# Allegro board TNR_REV00_150306.brd (continued)
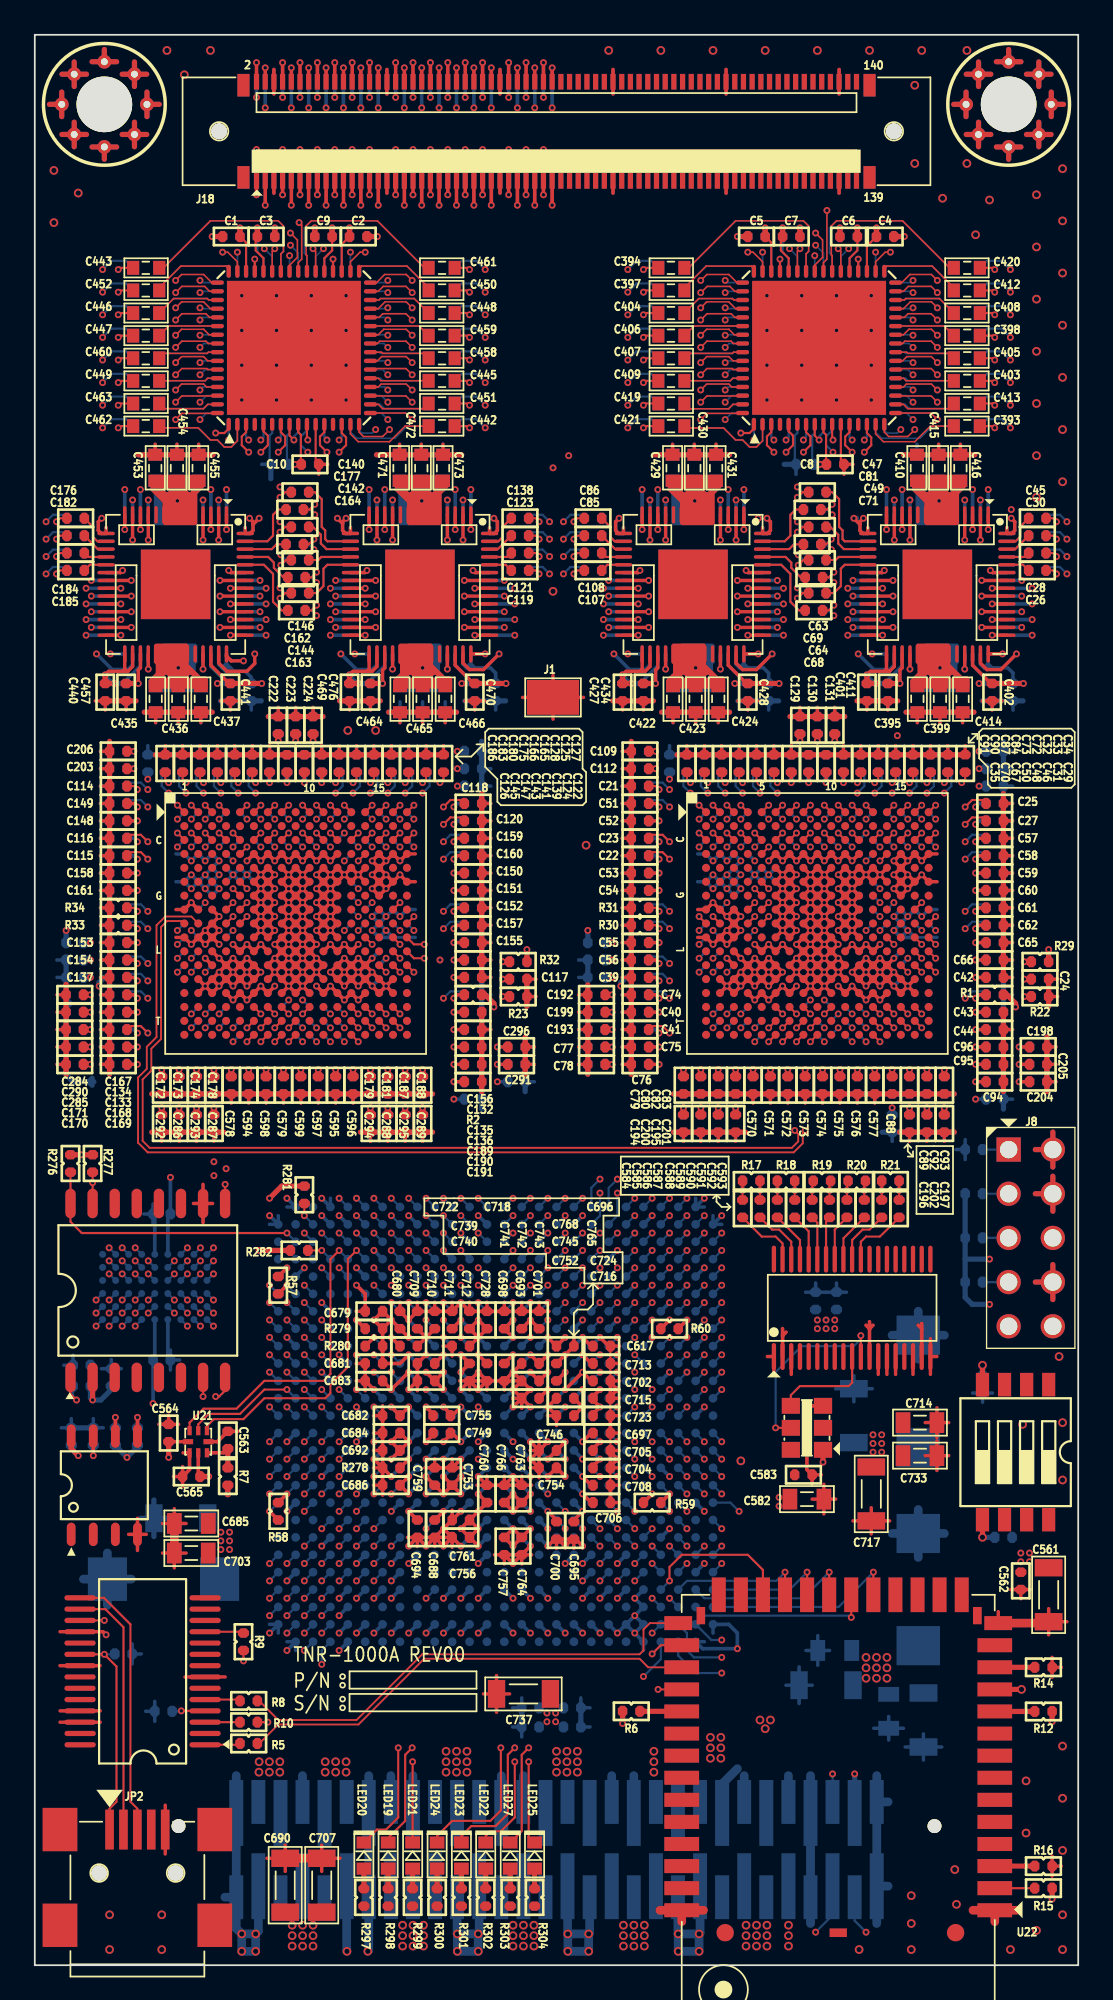
[diagram p0: board, top side]
## Nets (continued)
MUX62: C545.2 U4.60(Y2627)
MUX63: C540.2 U4.63(Y2829)
MUX64: C547.2 U4.2(Y3031)
MUX_CLK: U1.8(CLK) U2.8(CLK) U3.8(CLK) U4.8(CLK) U88.G13(PT88B)
MUX_CLR: U1.5(CLR) U2.5(CLR) U3.5(CLR) U4.5(CLR) U88.H8(PT10B)
MUX_DIN1: U1.10(DIN) U88.H10(PT64A)
MUX_DIN2: U1.12(DOUT) U2.10(DIN)
MUX_DIN3: U2.12(DOUT) U3.10(DIN)
MUX_DIN4: U3.12(DOUT) U4.10(DIN)
MUX_LE: U1.7(L\E\) U2.7(L\E\) U3.7(L\E\) U4.7(L\E\) U88.H11(PT64B)
PM_CLK: J20.55 U88.AB5(PL118A)
PM_CS: J20.56 U88.AB6(PL118B)
PM_SDI: J20.58 U88.AB7(PB4B)
T/R1: C26.2 U13.52(LVOUT_1)
T/R2: C28.2 U13.53(LVOUT_2)
T/R3: C30.2 U13.54(LVOUT_3)
T/R4: C45.2 U13.55(LVOUT_4)
T/R5: C47.2 U13.16(LVOUT_5)
T/R6: C49.2 U13.17(LVOUT_6)
T/R7: C63.2 U13.18(LVOUT_7)
T/R8: C64.2 U13.19(LVOUT_8)
T/R9: C68.2 U14.52(LVOUT_1)
T/R10: C69.2 U14.53(LVOUT_2)
T/R11: C71.2 U14.54(LVOUT_3)
T/R12: C81.2 U14.55(LVOUT_4)
T/R13: C86.2 U14.16(LVOUT_5)
T/R14: C85.2 U14.17(LVOUT_6)
T/R15: C108.2 U14.18(LVOUT_7)
T/R16: C107.2 U14.19(LVOUT_8)
T/R17: C119.2 U16.52(LVOUT_1)
T/R18: C121.2 U16.53(LVOUT_2)
T/R19: C123.2 U16.54(LVOUT_3)
T/R20: C138.2 U16.55(LVOUT_4)
T/R21: C140.2 U16.16(LVOUT_5)
T/R22: C142.2 U16.17(LVOUT_6)
T/R23: C146.2 U16.18(LVOUT_7)
T/R24: C144.2 U16.19(LVOUT_8)
T/R25: C163.2 U15.52(LVOUT_1)
T/R26: C162.2 U15.53(LVOUT_2)
T/R27: C164.2 U15.54(LVOUT_3)
T/R28: C177.2 U15.55(LVOUT_4)
T/R29: C176.2 U15.16(LVOUT_5)
T/R30: C182.2 U15.17(LVOUT_6)
T/R31: C184.2 U15.18(LVOUT_7)
T/R32: C185.2 U15.19(LVOUT_8)
T/R33: C212.2 U18.52(LVOUT_1)
T/R34: C214.2 U18.53(LVOUT_2)
T/R35: C216.2 U18.54(LVOUT_3)
T/R36: C231.2 U18.55(LVOUT_4)
T/R37: C233.2 U18.16(LVOUT_5)
T/R38: C235.2 U18.17(LVOUT_6)
T/R39: C250.2 U18.18(LVOUT_7)
T/R40: C252.2 U18.19(LVOUT_8)
T/R41: C256.2 U17.52(LVOUT_1)
T/R42: C255.2 U17.53(LVOUT_2)
T/R43: C257.2 U17.54(LVOUT_3)
T/R44: C268.2 U17.55(LVOUT_4)
T/R45: C269.2 U17.16(LVOUT_5)
T/R46: C275.2 U17.17(LVOUT_6)
T/R47: C276.2 U17.18(LVOUT_7)
T/R48: C297.2 U17.19(LVOUT_8)
T/R49: C305.2 U19.52(LVOUT_1)
T/R50: C307.2 U19.53(LVOUT_2)
T/R51: C309.2 U19.54(LVOUT_3)
T/R52: C324.2 U19.55(LVOUT_4)
T/R53: C326.2 U19.16(LVOUT_5)
T/R54: C328.2 U19.17(LVOUT_6)
T/R55: C344.2 U19.18(LVOUT_7)
T/R56: C347.2 U19.19(LVOUT_8)
T/R57: C346.2 U20.52(LVOUT_1)
T/R58: C348.2 U20.53(LVOUT_2)
T/R59: C351.2 U20.54(LVOUT_3)
T/R60: C353.2 U20.55(LVOUT_4)
T/R61: C355.2 U20.16(LVOUT_5)
T/R62: C363.2 U20.17(LVOUT_6)
T/R63: C370.2 U20.18(LVOUT_7)
T/R64: C389.2 U20.19(LVOUT_8)
TCK: J8.1 R272.1 U88.E5(TCK)
TDI: J8.5 R274.2 U88.F5(TDI)
TDO: J8.7 R275.2 U88.E7(TDO)
TMS: J8.3 R273.2 U88.E6(TMS)
UART0_CTS: R9.2 U22.30(GPIO24)
UART0_RTS: R10.2 U22.28(GPIO25)
UART0_RX: R5.2 U22.29(GPIO0)
UART0_TX: R8.2 U22.27(GPIO1)
VTT2: U88.N20(VTT2)
VTT3: U88.P20(VTT3)
VTT6: U88.P7(VTT6)
VTT7: U88.N7(VTT7)
WIFI_SDIO_CLK: U22.22(GPIO35) U88.AC1(PL110B)
WIFI_SDIO_CMD: U22.21(GPIO34) U88.AC2(PL113A)
WIFI_SDIO_DATA0: U22.23(GPIO36) U88.AC3(PL113B)
WIFI_SDIO_DATA1: U22.24(GPIO37) U88.AC4(PB5B)
WIFI_SDIO_DATA2: U22.19(GPIO32) U88.AD1(PL122A)
WIFI_SDIO_DATA3: U22.20(GPIO33) U88.AD2(PL122B)
XDCR1: J18.1 U1.14(SW0)
XDCR2: J19.139 U2.14(SW0)
XDCR3: J18.2 U1.17(SW2)
XDCR4: J19.140 U2.17(SW2)
XDCR5: J18.3 U1.20(SW4)
XDCR6: J19.137 U2.20(SW4)
XDCR7: J18.4 U1.23(SW6)
XDCR8: J19.138 U2.23(SW6)
XDCR9: J18.7 U1.26(SW8)
XDCR10: J19.133 U2.26(SW8)
XDCR11: J18.8 U1.29(SW10)
XDCR12: J19.134 U2.29(SW10)
XDCR13: J18.9 U1.32(SW12)
XDCR14: J19.131 U2.32(SW12)
XDCR15: J18.10 U1.38(SW14)
XDCR16: J19.132 U2.38(SW14)
XDCR17: J18.11 U1.41(SW16)
XDCR18: J19.129 U2.41(SW16)
XDCR19: J18.12 U1.47(SW18)
XDCR20: J19.130 U2.47(SW18)
XDCR21: J18.13 U1.50(SW20)
XDCR22: J19.127 U2.50(SW20)
XDCR23: J18.14 U1.53(SW22)
XDCR24: J19.128 U2.53(SW22)
XDCR25: J18.15 U1.56(SW24)
XDCR26: J19.125 U2.56(SW24)
XDCR27: J18.16 U1.59(SW26)
XDCR28: J19.126 U2.59(SW26)
XDCR29: J18.17 U1.62(SW28)
XDCR30: J19.123 U2.62(SW28)
XDCR31: J18.18 U1.1(SW30)
XDCR32: J19.124 U2.1(SW30)
XDCR33: J18.19 U3.14(SW0)
XDCR34: J19.121 U4.14(SW0)
XDCR35: J18.20 U3.17(SW2)
XDCR36: J19.122 U4.17(SW2)
XDCR37: J18.21 U3.20(SW4)
XDCR38: J19.119 U4.20(SW4)
XDCR39: J18.22 U3.23(SW6)
XDCR40: J19.120 U4.23(SW6)
XDCR41: J18.23 U3.26(SW8)
XDCR42: J19.117 U4.26(SW8)
XDCR43: J18.24 U3.29(SW10)
XDCR44: J19.118 U4.29(SW10)
XDCR45: J18.25 U3.32(SW12)
XDCR46: J19.115 U4.32(SW12)
XDCR47: J18.26 U3.38(SW14)
XDCR48: J19.116 U4.38(SW14)
XDCR49: J18.27 U3.41(SW16)
XDCR50: J19.113 U4.41(SW16)
XDCR51: J18.28 U3.47(SW18)
XDCR52: J19.114 U4.47(SW18)
XDCR53: J18.29 U3.50(SW20)
XDCR54: J19.111 U4.50(SW20)
XDCR55: J18.30 U3.53(SW22)
XDCR56: J19.112 U4.53(SW22)
XDCR57: J18.33 U3.56(SW24)
XDCR58: J19.107 U4.56(SW24)
XDCR59: J18.34 U3.59(SW26)
XDCR60: J19.108 U4.59(SW26)
XDCR61: J18.35 U3.62(SW28)
XDCR62: J19.105 U4.62(SW28)
XDCR63: J18.36 U3.1(SW30)
XDCR64: J19.106 U4.1(SW30)
XDCR65: J18.37 U1.16(SW1)
XDCR66: J19.103 U2.16(SW1)
XDCR67: J18.38 U1.19(SW3)
XDCR68: J19.104 U2.19(SW3)
XDCR69: J18.39 U1.22(SW5)
XDCR70: J19.101 U2.22(SW5)
XDCR71: J18.40 U1.25(SW7)
XDCR72: J19.102 U2.25(SW7)
XDCR73: J18.41 U1.28(SW9)
XDCR74: J19.99 U2.28(SW9)
XDCR75: J18.42 U1.31(SW11)
XDCR76: J19.100 U2.31(SW11)
XDCR77: J18.43 U1.34(SW13)
XDCR78: J19.97 U2.34(SW13)
XDCR79: J18.44 U1.40(SW15)
XDCR80: J19.98 U2.40(SW15)
XDCR81: J18.45 U1.43(SW17)
XDCR82: J19.95 U2.43(SW17)
XDCR83: J18.46 U1.49(SW19)
XDCR84: J19.96 U2.49(SW19)
XDCR85: J18.47 U1.52(SW21)
XDCR86: J19.93 U2.52(SW21)
XDCR87: J18.48 U1.55(SW23)
XDCR88: J19.94 U2.55(SW23)
XDCR89: J18.49 U1.58(SW25)
XDCR90: J19.91 U2.58(SW25)
XDCR91: J18.50 U1.61(SW27)
XDCR92: J19.92 U2.61(SW27)
XDCR93: J18.51 U1.64(SW29)
XDCR94: J19.89 U2.64(SW29)
XDCR95: J18.52 U1.3(SW31)
XDCR96: J19.90 U2.3(SW31)
XDCR97: J18.53 U3.16(SW1)
XDCR98: J19.87 U4.16(SW1)
XDCR99: J18.54 U3.19(SW3)
XDCR100: J19.88 U4.19(SW3)
XDCR101: J18.55 U3.22(SW5)
XDCR102: J19.85 U4.22(SW5)
XDCR103: J18.56 U3.25(SW7)
XDCR104: J19.86 U4.25(SW7)
XDCR105: J18.59 U3.28(SW9)
XDCR106: J19.81 U4.28(SW9)
XDCR107: J18.60 U3.31(SW11)
XDCR108: J19.82 U4.31(SW11)
XDCR109: J18.61 U3.34(SW13)
XDCR110: J19.79 U4.34(SW13)
XDCR111: J18.62 U3.40(SW15)
XDCR112: J19.80 U4.40(SW15)
XDCR113: J18.63 U3.43(SW17)
XDCR114: J19.77 U4.43(SW17)
XDCR115: J18.64 U3.49(SW19)
XDCR116: J19.78 U4.49(SW19)
XDCR117: J18.65 U3.52(SW21)
XDCR118: J19.75 U4.52(SW21)
XDCR119: J18.66 U3.55(SW23)
XDCR120: J19.76 U4.55(SW23)
XDCR121: J18.67 U3.58(SW25)
XDCR122: J19.73 U4.58(SW25)
XDCR123: J18.68 U3.61(SW27)
XDCR124: J19.74 U4.61(SW27)
XDCR125: J18.69 U3.64(SW29)
XDCR126: J19.71 U4.64(SW29)
XDCR127: J18.70 U3.3(SW31)
XDCR128: J19.72 U4.3(SW31)
N15055357: R12.2 U22.10(VRTC)
N15055545: R11.1 S1.5(B4) U22.11(RESET)
N15055705: R14.2 U22.12(RTC)
N15252190: R13.2 S1.4(A4)
N16613517: JP2.3(D+) U23.15(USBDP)
N16613521: JP2.2(D-) U23.16(USBDM)
N16614568: C566.2 JP2.1(VCC) U23.20(VCC)
N16617741: R5.1 U23.1(TXD)
N16617745: R8.1 U23.5(RXD)
N16617749: C567.2 U23.4(VCCIO) U23.17(3V3OUT)
N16673094: R9.1 U23.11(CTS#)
N16673098: R10.1 U23.3(RTX#)
N16750909: R6.2 U22.31(GPIO31)
N16892960: R3.1 U10.M17(PDN_FAST)
N16894204: C210.1 U10.K14(VREF_IN_REXT)
N16894407: C207.1 U10.D5(BIAS_2P5)
N16894410: C208.1 U10.G5(BAND_GAP)
N16894413: C209.1 U10.F5(LNA_INCM)
N16894782: C211.1 U10.D14(SRC_BIAS)
N16971325: C477.1 U18.1(XDCR_1)
N16971363: C500.1 U18.2(XDCR_2)
N16971431: C482.1 U18.3(XDCR_3)
N16971435: C497.1 U18.4(XDCR_4)
N16971563: C484.1 U18.11(XDCR_5)
N16971567: C486.1 U18.12(XDCR_6)
N16971579: C499.1 U18.13(XDCR_7)
N16971583: C504.1 U18.14(XDCR_8)
N17055890: C526.1 U19.1(XDCR_1)
N17055892: C541.1 U19.2(XDCR_2)
N17055902: C537.1 U19.3(XDCR_3)
N17055904: C531.1 U19.4(XDCR_4)
N17055922: C532.1 U19.11(XDCR_5)
N17055924: C539.1 U19.12(XDCR_6)
N17055926: C534.1 U19.13(XDCR_7)
N17055928: C546.1 U19.14(XDCR_8)
N17057845: C478.1 U17.1(XDCR_1)
N17057847: C501.1 U17.2(XDCR_2)
N17057857: C496.1 U17.3(XDCR_3)
N17057859: C483.1 U17.4(XDCR_4)
N17057877: C485.1 U17.11(XDCR_5)
N17057879: C502.1 U17.12(XDCR_6)
N17057881: C491.1 U17.13(XDCR_7)
N17057883: C505.1 U17.14(XDCR_8)
N17058113: C527.1 U20.1(XDCR_1)
N17058115: C542.1 U20.2(XDCR_2)
N17058117: C535.1 U20.3(XDCR_3)
N17058127: C544.1 U20.4(XDCR_4)
N17058145: C533.1 U20.11(XDCR_5)
N17058147: C545.1 U20.12(XDCR_6)
N17058149: C540.1 U20.13(XDCR_7)
N17058151: C547.1 U20.14(XDCR_8)
N17108094: R1.1 U6.M17(PDN_FAST)
N17108112: C24.1 U6.K14(VREF_IN_REXT)
N17108113: C21.1 U6.D5(BIAS_2P5)
N17108114: C22.1 U6.G5(BAND_GAP)
N17108115: C23.1 U6.F5(LNA_INCM)
N17108123: C25.1 U6.D14(SRC_BIAS)
N17114740: R4.1 U11.M17(PDN_FAST)
N17114758: C303.1 U11.K14(VREF_IN_REXT)
N17114759: C300.1 U11.D5(BIAS_2P5)
N17114760: C301.1 U11.G5(BAND_GAP)
N17114761: C302.1 U11.F5(LNA_INCM)
N17114769: C304.1 U11.D14(SRC_BIAS)
N17118312: R2.1 U8.M17(PDN_FAST)
N17118330: C117.1 U8.K14(VREF_IN_REXT)
N17118331: C114.1 U8.D5(BIAS_2P5)
N17118332: C115.1 U8.G5(BAND_GAP)
N17118333: C116.1 U8.F5(LNA_INCM)
N17118341: C118.1 U8.D14(SRC_BIAS)
N17124041: C393.1 U13.1(XDCR_1)
N17124042: C413.1 U13.2(XDCR_2)
N17124043: C403.1 U13.3(XDCR_3)
N17124044: C405.1 U13.4(XDCR_4)
N17124045: C398.1 U13.11(XDCR_5)
N17124046: C408.1 U13.12(XDCR_6)
N17124047: C412.1 U13.13(XDCR_7)
N17124048: C420.1 U13.14(XDCR_8)
N17124170: C442.1 U16.1(XDCR_1)
N17124171: C451.1 U16.2(XDCR_2)
N17124172: C445.1 U16.3(XDCR_3)
N17124173: C458.1 U16.4(XDCR_4)
N17124174: C459.1 U16.11(XDCR_5)
N17124175: C448.1 U16.12(XDCR_6)
N17124176: C450.1 U16.13(XDCR_7)
N17124177: C461.1 U16.14(XDCR_8)
N17124271: C394.1 U14.1(XDCR_1)
N17124272: C397.1 U14.2(XDCR_2)
N17124273: C404.1 U14.3(XDCR_3)
N17124274: C406.1 U14.4(XDCR_4)
N17124275: C407.1 U14.11(XDCR_5)
N17124276: C409.1 U14.12(XDCR_6)
N17124277: C419.1 U14.13(XDCR_7)
N17124278: C421.1 U14.14(XDCR_8)
N17124353: C443.1 U15.1(XDCR_1)
N17124354: C452.1 U15.2(XDCR_2)
N17124355: C446.1 U15.3(XDCR_3)
N17124356: C447.1 U15.4(XDCR_4)
N17124357: C460.1 U15.11(XDCR_5)
N17124358: C449.1 U15.12(XDCR_6)
N17124359: C463.1 U15.13(XDCR_7)
N17124360: C462.1 U15.14(XDCR_8)
N17144890: R16.2 U22.3(ADC_SD_0N)
N17145047: R15.2 U22.2(ADC_SD_0P)
N17146659: C563.2 R7.1 U21.7(AINP)
N17246492: C584.2 U24.37(AY)
N17246495: C585.2 U24.36(AZ)
N17246498: C586.2 U24.35(BY)
N17246501: C587.2 U24.34(BZ)
N17246504: C588.2 U24.33(CY)
N17246507: C589.2 U24.32(CZ)
N17246510: C590.2 U24.31(DY)
N17246513: C591.2 U24.30(DZ)
N17246516: C592.2 U24.29(EY)
N17246519: C593.2 U24.28(EZ)
N17247366: R22.1 U6.M16(PDN_GBL)
N17249033: R23.1 U8.M16(PDN_GBL)
N17249290: R24.1 U10.M16(PDN_GBL)
N17249547: R25.1 U11.M16(PDN_GBL)
N17249807: R26.1 U11.K16(SPI_DIG_EN)
N17250551: R27.1 U11.J5(TGC_PROF-1)
N17250554: R28.1 U11.H5(TGC_PROF-2)
N17250855: R29.1 U6.K16(SPI_DIG_EN)
N17250877: R30.1 U6.J5(TGC_PROF-1)
N17250879: R31.1 U6.H5(TGC_PROF-2)
N17251190: R32.1 U8.K16(SPI_DIG_EN)
N17251212: R33.1 U8.J5(TGC_PROF-1)
N17251214: R34.1 U8.H5(TGC_PROF-2)
N17251519: R35.1 U10.K16(SPI_DIG_EN)
N17251541: R36.1 U10.J5(TGC_PROF-1)
N17251543: R37.1 U10.H5(TGC_PROF-2)
N17356355: LED20.1(ANODE) R297.1
N17356358: LED19.1(ANODE) R298.1
N17356361: LED21.1(ANODE) R299.1
N17356364: LED24.1(ANODE) R300.1
N17356367: LED23.1(ANODE) R301.1
N17356370: LED22.1(ANODE) R302.1
N17356373: LED27.1(ANODE) R303.1
N17357565: LED25.1(ANODE) R304.1
N17472746: R278.2 U88.R18(XRES)
N17488006: J2.7(WP) R54.2
N17488719: U24.10(A) X3.4(OUT)
N17488722: U24.11(B) X3.5(OUTN)
N17635904: R279.1 U88.H21(INITN)
N17635973: R280.1 U88.J20(PROGRAMN)
N17636542: R281.1 U88.B24(DONE)
N17636628: R282.2 U88.D23(PR10B)
N17655205: R283.2 U28.1(HOLD#) U28.9(W#/VPP)
N171655668: U88.AC17(PCSA_REFCLKP)

Pads without a net: J2 1 2 3; J8 9 10; J18 71 72 73 74 75 76 77 78 79 80 81 82 85 86 87 88 89 90 91 92 93 94 95 96 97 98 99 100 101 102 103 104 105 106 107 108 111 112 113 114 115 116 117 118 119 120 121 122 123 124 125 126 127 128 129 130 131 132 133 134 137 138 139 140; J19 1 2 3 4 7 8 9 10 11 12 13 14 15 16 17 18 19 20 21 22 23 24 25 26 27 28 29 30 33 34 35 36 37 38 39 40 41 42 43 44 45 46 47 48 49 50 51 52 53 54 55 56 59 60 61 62 63 64 65 66 67 68 69 70; JP2 4; S1 1 2 3 6 7 8; U1 4 6 13; U2 4 6 13; U3 4 6 13; U4 4 6 12 13; U6 A9 B1 B2 B3 B4 B5 B6 B7 B8 B9 B10 B11 B12 B13 B14 B15 B16 B17 C9 D1 D2 D3 D4 D13 E1 E2 E3 E4 E5 E16 E17 F1 F2 F3 F4 G1 G2 G3 G4 G13 G14 G16 G17 H13 H14 H15 H17 J13 J14 J15 J16 K4 K5 K13 K15 L1 L2 L4 L14 L15 M1 M2 N1 N17 P1 P17 R1 R2 R3 R4 R5 R9 R11 R12 R13 R17 T1 T2 T3 T4 T5 T10 T11 T12 T17 U1 U2 U3 U4 U5 U10 U11 U12 U14 U15 U16 U17; U8 A9 B1 B2 B3 B4 B5 B6 B7 B8 B9 B10 B11 B12 B13 B14 B15 B16 B17 C9 D1 D2 D3 D4 D13 E1 E2 E3 E4 E5 E16 E17 F1 F2 F3 F4 G1 G2 G3 G4 G13 G14 G16 G17 H13 H14 H15 H17 J13 J14 J15 J16 K4 K5 K13 K15 L1 L2 L4 L14 L15 M1 M2 N1 N17 P1 P17 R1 R2 R3 R4 R5 R9 R11 R12 R13 R17 T1 T2 T3 T4 T5 T10 T11 T12 T17 U1 U2 U3 U4 U5 U10 U11 U12 U14 U15 U16 U17; U10 A9 B1 B2 B3 B4 B5 B6 B7 B8 B9 B10 B11 B12 B13 B14 B15 B16 B17 C9 D1 D2 D3 D4 D13 E1 E2 E3 E4 E5 E16 E17 F1 F2 F3 F4 G1 G2 G3 G4 G13 G14 G16 G17 H13 H14 H15 H17 J13 J14 J15 J16 K4 K5 K13 K15 L1 L2 L4 L14 L15 M1 M2 N1 N17 P1 P17 R1 R2 R3 R4 R5 R9 R11 R12 R13 R17 T1 T2 T3 T4 T5 T10 T11 T12 T17 U1 U2 U3 U4 U5 U10 U11 U12 U14 U15 U16 U17; U11 A9 B1 B2 B3 B4 B5 B6 B7 B8 B9 B10 B11 B12 B13 B14 B15 B16 B17 C9 D1 D2 D3 D4 D13 E1 E2 E3 E4 E5 E16 E17 F1 F2 F3 F4 G1 G2 G3 G4 G13 G14 G16 G17 H13 H14 H15 H17 J13 J14 J15 J16 K4 K5 K13 K15 L1 L2 L4 L14 L15 M1 M2 N1 N17 P1 P17 R1 R2 R3 R4 R5 R9 R11 R12 R13 R17 T1 T2 T3 T4 T5 T10 T11 T12 T17 U1 U2 U3 U4 U5 U10 U11 U12 U14 U15 U16 U17; U13 10 38 57; U14 10 38 57; U15 10 38 57; U16 10 38 57; U17 10 38 57; U18 10 38 57; U19 10 38 57; U20 10 38 57; U22 4 5 6 7 8 9 13 16 17 18 25 26 32 33 34 35 36 37 38 39; U23 2 6 8 9 10 12 13 14 19 22 23 24 27 28; U24 4 16 20 21 22 23 24 25 26 27 38; U25 J4 J5 J6; U28 3 4 5 6 11 12 13 14; U88 A24 AA10 AA11 AA12 AA15 AA16 AA17 AB9 AB10 AB11 AB12 AB13 AB14 AB15 AB16 AB17 AB18 AC9 AC10 AC18 AD6 AD7 AD8 AD9 AD10 AD11 AD12 AD13 AD14 AD15 AD16 AD17 AD18 AD19 AD20 AD21 AF6 AF7 AF8 AF9 AF10 AF11 AF12 AF13 AF14 AF15 AF16 AF17 AF18 AF19 AF20 AF21 B25 C26 D14 D24 D25 D26 E24 F22 F23 G20 G21 G22 H22 J21 J22 L21 L22 M3 M5 M6 M26 N1 R21 T21 U5 U6 U7 U8 U10 V8 V17 V20 V23 W1 W2 W4 W5 W18 W19 W24 W25 W26 Y1 Y2 Y25 Y26; X3 2

## Via types
v1: diameter 0.4, hole 0.2, TOP to BOTTOM, 2248 vias
v2: diameter 0.5, hole 0.3, TOP to BOTTOM, 182 vias

## Routing (per net, layer and track width the routed paths; a pad name or vN(x,y) marks a point on that pad's centre or on a via; arc(x,y) is an arc through that point)
+D3.3V: length 15.8
  TOP w0.21: 51,36.9 51,36.6 ; 51,36.6 U24.18 ; 51,36.6 50.8,36.8 ; 48,36.6 47.8,36.8 ; 48,36.6 48.2,36.8 ; 48,36.6 U24.12 ; 48,36.6 48,37 ; C565.2 9.4,28.2 U21.6 ; 43,36.2 43,36.6 ; 43,36.2 43.2,36.4 ; 43,36.2 U24.2 ; U21.4 C564.2
  TOP w0.3: C565.2 v1(10,28.1) ; R12.1 v1(58.5,14) ; 2.1,30.43 2.1,29.7 v1(2.5,29.3) ; C564.2 v1(7.7,29.2) ; R6.1 v1(33.8,13.9)
  BOTTOM w0.3: C619.1 2.1,29.7 v1(2.5,29.3) ; R56.2 4.63,29.86 v1(5.3,29.2) 5.91,29.8 R55.2
  vias: v1(45,37.1) v1(45,36.6) v1(45.5,37.1) v1(45.5,36.6) v1(46,37.1) v1(46,36.6) v1(56.7,23.7) v1(56.7,23.2) v1(57.2,23.7) v1(57.2,23.2)
GND_SIGNAL: length 1690
  TOP w0.125: U1.36 v1(47.35,98.1) ; U1.45 v1(42.85,98.1) ; U2.45 v1(12.65,98.1) ; U1.11 46.35,86.47 C8.2 ; C617.1 C713.2 C702.2 ; C715.2 C723.2 ; U2.11 16.15,86.47 C10.2 ; U2.36 v1(17.15,98.1) ; C704.2 C708.2 ; C705.2 C697.2
  TOP w0.2: 33.77,65.8 C52.2 ; 3.77,66.8 C149.2 ; 18.47,37.6 C679.2 ; C704.2 33.63,28.6 ; C717.2 48.1,26.3 ; C717.2 49.15,25.55 ; C717.2 48.1,24.8 ; C717.2 47.05,25.55 ; 53.35,71.44 C414.2 ; U8.D17 21.88,63.9 ; 46.52,85.73 C8.2 47.05,86.3 ; C117.2 28.83,56.7 ; 8.25,71.44 C436.2 ; v1(17.4,83.2) 17.7,82.9 ; 17.7,82.9 17.7,83 v1(17.9,83.2) ; 17.7,82.9 17.7,82.5 17.88,82.33 U16.15 18.15,82.68 ; C57.2 56.23,64.8 ; C737.2 27.3,15.6 ; C737.2 26.55,16.65 ; C737.2 26.55,14.55 ; C737.2 25.8,15.6 ; C157.2 26.23,59.8 ; 33.77,68.8 C112.1 ; 26,28.13 C760.2 25.43,27.6 ; 33.77,66.8 C51.2 ; C711.2 24,38.13 ; C296.2 28.73,52.8 ; C455.2 9.43,87.46 ; 30,23.97 C700.2 ; C62.2 56.23,59.8 ; 56.13,21.6 C562.1 ; C562.1 56.7,21.07 ; C562.1 57.27,21.6 ; 3.76,14.62 U23.25 1.46,14.62 ; C453.2 6.92,87.46 ; C150.2 26.23,62.8 ; 8.12,60.7 U8.H1 ; 19.47,28.6 R278.1 ; U15.32 v1(6.53,74.53) ; 33.77,64.8 C23.2 ; 24.73,72.7 C470.2 ; C470.2 25.87,72.7 ; C470.2 25.3,72.17 ; 55.9,82.68 U13.56 56.17,82.33 56.35,82.5 56.35,83 v1(56.15,83.2) ; 10.94,16.57 U23.7 8.64,16.57 ; 51.5,33.97 U24.19 ; U24.19 51.5,36.03 ; U24.19 51.88,35 ; 24,35.03 C718.2 23.47,35.6 ; 28,32.03 C752.2 27.47,32.6 ; 9.68,75.4 v1(9.68,74.53) ; v1(5.05,80.2) 4.92,80.08 U15.20 ; C66.2 56.23,57.8 ; C132.2 26.23,56.8 ; v1(26.4,83.2) 26.6,83 26.6,82.5 26.43,82.33 U16.56 26.15,82.68 ; 33.77,61.8 C54.2 ; C44.2 56.23,53.8 ; 31.27,51.8 C78.2 ; R14.1 59.03,17.13 ; R14.1 58.5,17.7 ; R14.1 58.5,16.56 ; C72.1 42.5,70.13 ; 7.5,6.4 JP2.5 7.5,9.2 ; 26.43,23.6 C757.2 27,23.07 ; v1(4.1,19) 3.92,19.18 1.45,19.18 ; 3.77,67.8 C114.2 ; 38.3,47.37 C200.2 ; v1(25.2,80.2) 25.32,80.08 U16.51 ; 22,33.03 C740.2 ; 29.8,71.65 J1.1 ; J1.1 28.05,72.9 ; J1.1 31.55,72.9 ; J1.1 29.8,74.15 ; 42.12,35 U24.1 42.5,33.97 ; 12.55,82.85 v1(12.9,83.2) ; 12.55,82.85 12.55,82.5 12.38,82.33 U15.56 12.1,82.68 ; 12.55,82.85 12.55,83 v1(12.35,83.2) ; 8.52,29.46 U21.5 ; 17.3,49.57 C595.2 ; 5.91,23.85 J2.4 ; J2.4 5.91,25.7 ; J2.4 6.41,24.77 ; J2.4 5.4,24.77 ; R23.2 28.83,55.7 ; 33.77,62.8 C53.2 ; 6.95,71.44 C435.2 ; U6.D17 51.88,63.9 ; C733.2 51.88,30.15 ; C733.2 51.2,29.3 ; C733.2 52.55,29.3 ; C733.2 51.88,28.45 ; C180.1 9.5,70.13 ; R16.1 59.03,5.7 ; R16.1 58.5,6.27 ; R16.1 58.5,5.13 ; C73.1 41.5,70.13 ; 47.45,82.85 47.45,83 v1(47.65,83.2) ; 47.45,82.85 v1(47.1,83.2) ; 47.45,82.85 47.45,82.5 47.62,82.33 U13.15 47.9,82.68 ; C402.2 55.62,72.7 ; C402.2 55.05,72.17 ; C402.2 54.48,72.7 ; C143.1 19.5,70.13 ; C131.2 46,72.33 ; C204.2 58.73,50.8 ; 28.47,28.6 C754.2 29,28.03 ; 50.75,71.44 C395.2 ; 52.3,47.37 C197.2 ; 21.43,24.6 C694.2 22,24.07 ; 3.77,56.8 C137.2 ; C160.2 26.23,63.8 ; 22.3,47.37 C289.2 ; C159.2 26.23,64.8 ; 44.3,49.57 C573.2 ; C713.2 33.63,34.6 ; 29.57,37.6 C701.2 29,38.13 ; 9.55,71.44 C437.2 ; 11.25,72.17 C441.2 ; C441.2 11.82,72.7 ; C441.2 10.68,72.7 ; C696.2 31,36.17 ; 38,71.44 C423.2 ; 3.77,68.8 C203.1 ; 30,31.03 C716.2 29.47,31.6 ; C118.2 26.23,66.8 ; 57.25,19.75 C561.1 ; C561.1 59.35,19.75 ; C561.1 58.3,20.5 ; C561.1 58.3,19 ; 3.77,52.8 C168.2 ; v1(33.6,83.2) 33.4,83 33.4,82.5 33.58,82.33 U14.15 33.85,82.68 ; C582.1 46.05,26.8 ; C582.1 44.7,26.8 ; C582.1 45.38,25.95 ; C582.1 45.38,27.65 ; C415.2 51.98,87.46 ; 14.3,49.57 C579.2 ; 20,27.03 C686.2 19.47,27.6 ; 38.12,59.1 U6.K1 ; 7.35,23.7 C703.2 ; C703.2 8.7,23.7 ; C703.2 8.03,22.85 ; U14.32 v1(36.27,74.53) ; 18.1,72.17 C469.2 ; 3.77,69.8 C206.1 ; 16.32,85.73 C10.2 16.85,86.3 ; C430.2 37.92,87.46 ; C84.1 40.5,70.13 ; 3.77,61.8 C161.2 ; 7.97,28.1 C565.1 ; C565.1 8.5,27.53 ; C565.1 8.5,28.67 ; 22.43,28.6 C759.2 23,29.13 ; C428.2 41.57,72.7 ; C428.2 40.43,72.7 ; C428.2 41,72.17 ; C70.1 47.5,70.13 ; 3.77,57.8 C154.2 ; 3.75,17.23 U23.21 1.45,17.23 ; 41.3,49.57 C570.2 ; 28,23.07 C764.2 28.57,23.6 ; 3.77,53.8 C133.2 ; C50.1 49.5,70.13 ; 28.47,29.6 C746.2 29,30.17 ; C223.2 15,72.33 ; 3.77,62.8 C158.2 ; C120.1 26.23,65.8 ; 3.77,51.8 C169.2 ; C122.1 23.5,70.13 ; C416.2 53.23,87.46 ; 24,24.03 C756.2 ; C24.2 58.83,56.7 ; 7.35,25.4 C685.2 ; C685.2 8.7,25.4 ; C685.2 8.03,26.25 ; C222.2 14,72.33 ; 13.3,49.57 C598.2 ; C205.2 58.73,51.8 ; C761.2 24,26.17 ; 45.3,49.57 C574.2 ; 51.2,31.2 C714.2 ; C714.2 52.55,31.2 ; C714.2 51.88,30.35 ; C714.2 51.88,32.05 ; 49.05,72.17 C411.2 ; C166.1 11.5,70.13 ; 16.5,5.4 C707.2 ; C707.2 16.5,6.9 ; C707.2 17.55,6.15 ; 1.27,54.8 C290.2 ; 9.12,43.8 U28.10 ; U28.10 9.68,42.7 ; U28.10 10.23,43.8 ; U28.10 9.68,44.9 ; C32.2 43.5,70.13 ; C710.2 23,38.13 ; 39.3,47.37 C195.2 ; C693.2 28,38.13 ; U14.20 34.67,80.08 v1(34.8,80.2) ; 37.3,47.37 C194.2 ; 24.43,33.6 C741.2 25,33.07 ; 3.77,64.8 C116.2 ; 50.5,33.97 U24.17 ; 3.77,58.8 C153.2 ; 3.76,13.97 1.46,13.97 ; v1(11.15,80.2) 11.28,80.08 U15.51 ; v1(40.9,80.2) 41.02,80.08 U14.51 ; v1(3.85,83.2) 3.65,83 3.65,82.5 3.83,82.33 U15.15 4.1,82.68 ; 49.5,33.97 U24.15 ; 36.7,71.44 C422.2 ; 44.7,27.63 C583.1 45.23,28.2 ; 23,24.07 C688.2 ; 31.27,55.8 C192.2 ; C697.2 33.63,30.6 ; C709.2 22,38.13 ; 47.3,49.57 C576.2 ; C429.2 36.67,87.46 ; C59.2 56.23,62.8 ; 24,29.13 C753.2 24.57,28.6 ; 7.3,47.37 C292.2 ; C31.1 52.5,70.13 ; 31.27,53.8 C193.2 ; C147.1 18.5,70.13 ; C35.2 46.5,70.13 ; 46.3,49.57 C575.2 ; C723.2 33.63,31.6 ; 4.05,72.17 C440.2 3.48,72.7 ; U22.14 55.4,20.33 ; C48.1 50.5,70.13 ; v1(19.1,80.2) 18.98,80.08 U16.20 ; C183.1 8.5,70.13 ; C27.1 56.23,65.8 ; C563.1 11.67,30.7 ; C126.2 16.5,70.13 ; C728.2 26,38.13 ; 31,23.97 C695.2 ; U13.20 48.73,80.08 v1(48.85,80.2) ; C65.2 56.23,58.8 ; 20.3,47.37 C288.2 ; C706.2 33.63,26.6 ; C61.2 56.23,60.8 ; 7.13,31.1 C564.1 ; C564.1 7.7,31.63 ; C564.1 8.27,31.1 ; U13.39 v1(53.48,74.53) ; 10.3,47.37 C287.2 ; C472.2 22.23,87.46 ; 22.3,71.44 C465.2 ; 3.77,54.8 C134.2 ; C471.2 20.98,87.46 ; 1.27,51.8 C170.2 ; U13.32 v1(50.33,74.53) ; 38.12,60.7 U6.H1 ; 21.3,47.37 C295.2 ; U16.39 v1(23.73,74.53) ; 33.77,59.8 R30.2 ; C690.2 14.4,6.9 ; C690.2 14.4,5.4 ; C690.2 13.35,6.15 ; 1.27,55.8 C284.2 ; C25.2 56.23,66.8 ; 23.6,71.44 C466.2 ; C165.1 12.5,70.13 ; C712.2 25,38.13 ; C128.2 13.5,70.13 ; 28.57,27.6 C763.2 28,28.13 ; 3.77,59.8 R33.2 ; 33.77,69.8 C109.1 ; C139.1 21.5,70.13 ; 1.27,53.8 C285.2 ; 11.3,49.57 C578.2 ; 3.77,60.8 R34.2 ; 33.77,58.8 C55.2 ; 33.77,55.8 C74.2 ; R22.2 58.83,55.7 ; 33.77,67.8 C21.2 ; C198.2 58.73,52.8 ; C705.2 33.63,29.6 ; C124.1 22.5,70.13 ; C698.2 27,38.13 ; C224.2 16,72.33 ; 39.42,75.4 v1(39.42,74.53) ; 51.3,47.37 C202.2 ; 5.25,72.17 C457.2 ; 50.3,47.37 C196.2 ; C715.2 33.63,32.6 ; 18.47,33.6 C683.2 19,33.03 ; C46.1 51.5,70.13 ; U16.32 v1(20.57,74.53) ; C473.2 23.48,87.46 ; C90.1 38.5,70.13 ; C454.2 8.18,87.46 ; C175.1 10.5,70.13 ; 19.3,47.37 C294.2 ; 33.77,57.8 C56.2 ; 41.85,82.68 U14.56 42.12,82.33 42.3,82.5 42.3,83 v1(42.1,83.2) ; C702.2 33.63,33.6 ; 3.77,65.8 C148.2 ; C91.1 37.5,70.13 ; 33.8,72.17 C427.2 ; 33.77,60.8 R31.2 ; U13.51 55.08,80.08 v1(54.95,80.2) ; 19.47,29.6 C692.2 ; 19.3,72.17 C476.2 ; C141.1 20.5,70.13 ; 1.27,52.8 C171.2 ; C129.2 44,72.33 ; 33.77,63.8 C22.2 ; 49,33.97 U24.14 ; C58.2 56.23,63.8 ; C155.2 26.23,58.8 ; 39.3,71.44 C424.2 ; C87.1 39.5,70.13 ; 3.77,55.8 C167.2 ; 48.5,33.97 U24.13 ; 33.77,54.8 C40.2 ; 47.85,72.17 C401.2 ; C67.1 48.5,70.13 ; C136.2 26.23,53.8 ; 33.77,52.8 C75.2 ; C130.2 45,72.33 ; 8.3,47.37 C286.2 ; C766.2 27,28.13 ; 31.27,52.8 C77.2 ; U8.F17 21.88,62.3 ; 8.12,59.1 U8.K1 ; 15.3,49.57 C599.2 ; 43.5,33.97 U24.3 ; C431.2 39.17,87.46 ; 42.3,49.57 C571.2 ; C145.1 17.5,70.13 ; 52.05,71.44 C399.2 ; 33.77,56.8 C39.2 ; 21,71.44 C464.2 ; C186.1 7.5,70.13 ; 33.77,51.8 C76.2 ; C617.1 33.63,35.6 ; 3.77,63.8 C115.2 ; 18.3,49.57 C596.2 ; 35,72.17 C434.2 ; 19.47,30.6 C684.2 ; 16.3,49.57 C597.2 ; 40.3,47.37 C201.2 ; 12.3,49.57 C594.2 ; C680.2 21,38.13 ; 18.47,34.6 C681.2 ; C152.2 26.23,60.8 ; C291.2 28.73,51.8 ; 26,33.07 C742.2 ; 43.3,49.57 C572.2 ; C151.2 26.23,61.8 ; C29.1 53.5,70.13 ; U6.F17 51.88,62.3 ; 20,32.17 C682.2 19.47,31.6 ; 33.77,53.8 C41.2 ; 31.27,54.8 C199.2 ; C708.2 33.63,27.6 ; 27,33.07 C743.2 ; 48.3,49.57 C577.2 ; 9.3,47.37 C293.2 ; C156.2 26.23,57.8 ; C42.2 56.23,56.8 ; C60.2 56.23,61.8
  TOP w0.21: C741.2 v1(25.5,33.1) C742.2 ; C741.2 v1(25.5,34.1) C742.2 ; C741.2 C742.2 ; C741.2 v1(24.5,33.1) ; U6.L9 v1(44.6,58.7) ; U6.L9 v1(45.4,58.7) ; U6.L9 v1(44.6,57.9) ; U6.L9 v1(45.4,57.9) ; v1(44.6,58.7) U6.L8 ; v1(44.6,58.7) U6.K8 ; v1(44.6,58.7) U6.K9 ; v1(15.4,60.3) U8.J10 v1(15.4,59.5) ; v1(15.4,60.3) U8.J9 ; v1(15.4,60.3) U8.H9 ; v1(15.4,60.3) U8.H10 v1(15.4,61.1) ; v1(15.4,61.9) U8.G10 v1(15.4,61.1) ; v1(15.4,61.9) U8.G9 ; v1(15.4,61.9) U8.F10 v1(15.4,62.7) ; v1(15.4,61.9) U8.F9 ; U8.F9 v1(15.4,62.7) ; U8.F9 v1(14.6,61.9) ; U8.F9 v1(14.6,62.7) ; v1(15.4,62.7) U8.E9 v1(14.6,62.7) ; v1(15.4,62.7) U8.E10 ; U6.N9 v1(45.4,57.1) ; U6.N9 v1(44.6,57.1) ; U6.N9 v1(44.6,56.3) ; U6.N9 v1(45.4,56.3) ; v1(45.4,57.1) U6.M9 ; v1(45.4,57.1) U6.M10 ; v1(45.4,57.1) U6.N10 ; v1(50.2,61.9) U6.G15 v1(49.4,61.9) U6.F15 ; v1(50.2,61.9) U6.F16 ; v1(50.2,61.9) U6.F15 ; U8.F16 v1(20.2,62.7) ; U8.F16 v1(20.2,61.9) ; U8.F16 v1(21,62.7) U8.F17 ; v1(20.2,62.7) U8.E15 ; v1(20.2,62.7) U8.F15 ; U6.M8 v1(44.6,57.1) ; U6.M8 v1(44.6,57.9) ; U6.M8 v1(43.8,57.1) ; U6.M8 v1(43.8,57.9) ; v1(44.6,57.1) U6.N8 ; v1(44.6,57.1) U6.M9 ; 33.25,107.6 J18.84 33.25,109 ; v1(44.6,61.9) U6.F9 ; v1(44.6,61.9) U6.G8 v1(44.6,61.1) ; v1(44.6,61.9) U6.G9 ; v1(44.6,61.9) U6.F8 v1(44.6,62.7) ; U6.F9 v1(44.6,62.7) ; U6.F9 v1(45.4,62.7) ; U6.F9 v1(45.4,61.9) ; U8.M9 v1(15.4,57.1) ; U8.M9 v1(14.6,57.9) ; U8.M9 v1(14.6,57.1) ; U8.M9 v1(15.4,57.9) ; v1(15.4,57.1) U8.N10 ; v1(15.4,57.1) U8.M10 ; v1(15.4,57.1) U8.N9 ; C694.2 v1(21.5,24.1) ; C694.2 C688.2 ; C694.2 v1(22.5,24.1) C688.2 ; U8.P10 v1(15.4,56.3) ; v1(15.4,56.3) U8.P9 v1(14.6,56.3) ; v1(15.4,56.3) U8.N10 ; v1(15.4,56.3) U8.N9 ; U6.K3 v1(39.8,58.7) U6.K2 ; U6.K3 v1(40.6,59.5) U6.J3 ; U6.K3 v1(39.8,59.5) ; U8.K10 v1(16.2,58.7) U8.L10 ; U8.K10 v1(15.4,58.7) ; U8.K10 v1(15.4,59.5) ; 13.75,109 J18.6 13.75,107.6 ; C679.2 U88.F21 v1(18.5,39.1) ; U8.G9 v1(14.6,61.9) ; U8.G9 v1(15.4,61.1) ; U8.G9 v1(14.6,61.1) ; v1(50.2,63.5) U6.D15 v1(49.4,63.5) U6.E15 ; v1(50.2,63.5) U6.D16 v1(51,63.5) U6.D17 ; v1(50.2,63.5) U6.E15 ; 33.1,32.7 v1(33.5,33.1) 33.1,33.5 ; 33.1,32.7 C715.2 ; 33.1,32.7 33.1,33.5 ; U8.N10 v1(16.2,57.1) ; v1(16.2,57.1) U8.M11 v1(16.2,57.9) ; v1(16.2,57.1) U8.N11 ; v1(16.2,57.1) U8.M10 ; U6.K2 v1(39,58.7) U6.K1 ; U6.K2 v1(39.8,59.5) ; U6.N8 v1(44.6,56.3) ; U6.N8 v1(43.8,57.1) ; v1(44.6,56.3) U6.P8 ; v1(44.6,56.3) U6.P9 v1(45.4,56.3) ; 20.25,107.6 J18.32 20.25,109 ; v1(15.4,59.5) U8.K9 ; v1(15.4,59.5) U8.J9 ; U8.K9 v1(14.6,58.7) ; U8.K9 v1(14.6,59.5) ; U8.K9 v1(15.4,58.7) ; C759.2 C753.2 v1(24.5,29.1) ; 26.75,101.9 J18.57 26.75,103.3 ; 33.1,28.7 33.1,29.5 ; 33.1,28.7 C704.2 ; 33.1,28.7 v1(33.5,29.1) 33.1,29.5 ; 33.1,29.5 C705.2 ; 46.25,101.9 J18.135 46.25,103.3 ; U6.J3 v1(39.8,60.3) ; U6.J3 v1(40.6,60.3) U6.H3 v1(39.8,60.3) ; U6.J3 v1(39.8,59.5) ; C756.2 v1(23.5,24.1) C688.2 ; C756.2 C688.2 ; C756.2 v1(24.5,24.1) ; C756.2 v1(23.5,25.1) ; v1(44.6,59.5) U6.J8 v1(44.6,60.3) ; v1(44.6,59.5) U6.K8 ; v1(44.6,59.5) U6.J9 ; v1(44.6,59.5) U6.K9 ; 30.1,24.5 C700.2 29.9,24.5 v1(29.5,24.1) ; 30.1,24.5 v1(30.5,24.1) 30.9,24.5 ; 30.1,24.5 30.9,24.5 ; v1(14.6,62.7) U8.F8 v1(14.6,61.9) ; v1(14.6,62.7) U8.E8 ; v1(20.2,63.5) U8.D16 v1(21,63.5) U8.D17 ; v1(20.2,63.5) U8.D15 v1(19.4,63.5) U8.E15 ; v1(20.2,63.5) U8.E15 ; U8.E15 v1(19.4,62.7) U8.F15 ; 46.25,109 J18.136 46.25,107.6 ; v1(20.2,61.9) U8.F15 ; v1(20.2,61.9) U8.G15 v1(19.4,61.9) U8.F15 ; v1(46.2,57.1) U6.M11 v1(46.2,57.9) ; v1(46.2,57.1) U6.M10 ; v1(46.2,57.1) U6.N10 ; v1(46.2,57.1) U6.N11 ; C742.2 C743.2 ; U8.J9 v1(14.6,59.5) ; U8.J9 v1(14.6,60.3) ; C682.2 C684.2 C692.2 R278.1 ; v1(45.4,62.7) U6.F10 v1(45.4,61.9) ; v1(45.4,62.7) U6.E9 v1(44.6,62.7) ; v1(45.4,62.7) U6.E10 ; U21.5 8.9,28.5 C565.1 ; v1(45.4,57.9) U6.M9 ; v1(45.4,57.9) U6.L10 ; v1(45.4,57.9) U6.M10 ; U6.M9 v1(44.6,57.9) ; C765.2 v1(30.5,35.1) C696.2 ; v1(16.2,57.9) U8.L10 ; v1(16.2,57.9) U8.M10 ; v1(14.6,57.9) U8.L8 ; v1(14.6,57.9) U8.L9 ; v1(14.6,57.9) U8.M8 ; U8.K8 v1(14.6,58.7) ; U8.K8 v1(13.8,58.7) U8.L8 ; U8.K8 v1(14.6,59.5) ; v1(14.6,58.7) U8.L8 ; v1(14.6,58.7) U8.L9 ; 13.75,101.9 J18.5 13.75,103.3 ; C688.2 v1(23.5,25.1) ; v1(14.6,61.1) U8.G8 v1(14.6,61.9) ; v1(14.6,61.1) U8.H8 v1(14.6,60.3) ; v1(14.6,61.1) U8.H9 ; C745.2 v1(27.5,34.1) ; C745.2 C743.2 ; C745.2 v1(28.5,33.1) C752.2 ; C745.2 v1(27.5,33.1) C752.2 ; v1(27.5,34.1) C743.2 ; v1(27.5,34.1) C768.2 ; v1(21.5,33.1) C740.2 C739.2 v1(22.5,35.1) ; v1(14.6,56.3) U8.N9 ; v1(14.6,56.3) U8.N8 ; v1(14.6,56.3) U8.P8 ; U6.M10 v1(46.2,57.9) ; v1(46.2,57.9) U6.L10 ; v1(15.4,58.7) U8.L9 ; v1(15.4,58.7) U8.L10 ; v1(14.6,57.1) U8.N9 ; v1(14.6,57.1) U8.M8 ; v1(14.6,57.1) U8.N8 ; U8.L10 v1(15.4,57.9) ; v1(15.4,57.9) U8.L9 ; v1(15.4,57.9) U8.M10 ; C752.2 v1(28.5,32.1) ; C752.2 v1(27.5,32.1) ; C583.1 44.4,28.5 44.4,31.9 44.66,32.16 X3.3 ; U6.F16 v1(51,62.7) U6.F17 ; U6.F16 v1(50.2,62.7) ; U8.L8 v1(13.8,57.9) ; 39.75,101.9 J18.109 39.75,103.3 ; U6.F15 v1(49.4,62.7) U6.E15 ; U6.F15 v1(50.2,62.7) ; v1(24.5,26.1) C761.2 v1(23.5,25.1) ; U8.K3 v1(10.6,59.5) U8.J3 ; U8.K3 v1(10.6,58.7) ; U8.K3 v1(9.8,59.5) ; U8.K3 v1(9.8,58.7) U8.K2 ; U8.M3 v1(9.8,57.9) ; v1(44.6,57.9) U6.L8 ; U6.L10 v1(45.4,58.7) ; U6.L10 v1(46.2,58.7) U6.K10 ; v1(45.4,58.7) U6.K10 ; v1(45.4,58.7) U6.K9 ; C764.2 C757.2 v1(27.5,23.1) C764.2 ; C764.2 v1(28.5,24.1) ; v1(45.4,61.1) U6.G10 v1(45.4,61.9) ; v1(45.4,61.1) U6.H10 v1(45.4,60.3) ; v1(45.4,61.1) U6.G9 ; v1(45.4,61.1) U6.H9 ; v1(31.5,24.1) 31.1,24.5 C695.2 30.9,24.5 ; v1(14.6,59.5) U8.J8 v1(14.6,60.3) ; R278.1 v1(20.5,28.1) ; R278.1 v1(19.5,29.1) ; R278.1 C686.2 ; v1(15.4,61.1) U8.H9 ; v1(14.6,60.3) U8.H9 ; v1(44.6,62.7) U6.E8 ; U6.J9 v1(45.4,60.3) ; U6.J9 v1(45.4,59.5) ; U6.J9 v1(44.6,60.3) ; v1(45.4,60.3) U6.J10 v1(45.4,59.5) ; v1(45.4,60.3) U6.H9 ; C563.1 10.5,30.1 U21.8 ; v1(43.8,57.9) U6.L8 ; v1(43.8,57.9) U6.M7 v1(43.8,57.1) ; U6.L8 v1(43.8,58.7) U6.K8 ; v1(25.5,28.1) C760.2 C766.2 ; U8.K2 v1(9.8,59.5) ; U8.K2 v1(9,58.7) U8.K1 ; v1(43.8,57.1) U6.N7 ; v1(13.8,57.1) U8.M8 ; v1(13.8,57.1) U8.N7 ; v1(13.8,57.1) U8.M7 v1(13.8,57.9) ; v1(13.8,57.1) U8.N8 ; U8.M8 v1(13.8,57.9) ; v1(50.2,62.7) U6.E15 ; U8.H2 v1(9,61.1) U8.H1 ; U8.J3 v1(9.8,59.5) ; U8.J3 v1(10.6,60.3) U8.H3 ; C746.2 v1(28.5,29.1) C754.2 C746.2 ; C746.2 v1(29.5,30.1) ; C746.2 v1(28.5,30.1) ; 20.25,101.9 J18.31 20.25,103.3 ; U6.K10 v1(45.4,59.5) ; v1(45.4,59.5) U6.K9 ; v1(39.8,60.3) U6.H2 v1(39,61.1) U6.H1 ; U6.G9 v1(44.6,61.1) ; U6.G9 v1(45.4,61.9) ; v1(19.5,33.1) C683.2 C681.2 ; U6.H9 v1(44.6,61.1) ; U6.H9 v1(44.6,60.3) ; v1(44.6,61.1) U6.H8 v1(44.6,60.3) ; v1(23.5,32.1) 23.9,31.7 C755.2 U88.N16 v1(24.5,32.1) ; 33.1,33.5 C702.2 ; v1(45.4,56.3) U6.P10 ; v1(45.4,56.3) U6.N10 ; C697.2 C723.2 ; 33.25,101.9 J18.83 33.25,103.3 ; U6.M3 v1(39.8,57.9) ; C724.2 v1(29.5,32.1) C716.2 ; C722.2 v1(20.5,36.1) ; C766.2 v1(27.5,28.1) C763.2 C766.2 ; C706.2 C708.2 ; 26.75,109 J18.58 26.75,107.6 ; C617.1 33,35.6 v1(32.5,36.1) ; v1(24.5,30.1) U88.P16 C749.2 23.9,30.5 v1(23.5,30.1) ; 39.75,109 J18.110 39.75,107.6 ; C680.2 v1(21.5,37.1) C709.2 C710.2 C711.2 v1(24.5,38.1) C712.2 C728.2 C698.2 C693.2 C701.2